# Altium PCB FMC_ADC_100M_10B_16CHA_TDC.PcbDoc (part 8 of 12) (continued)
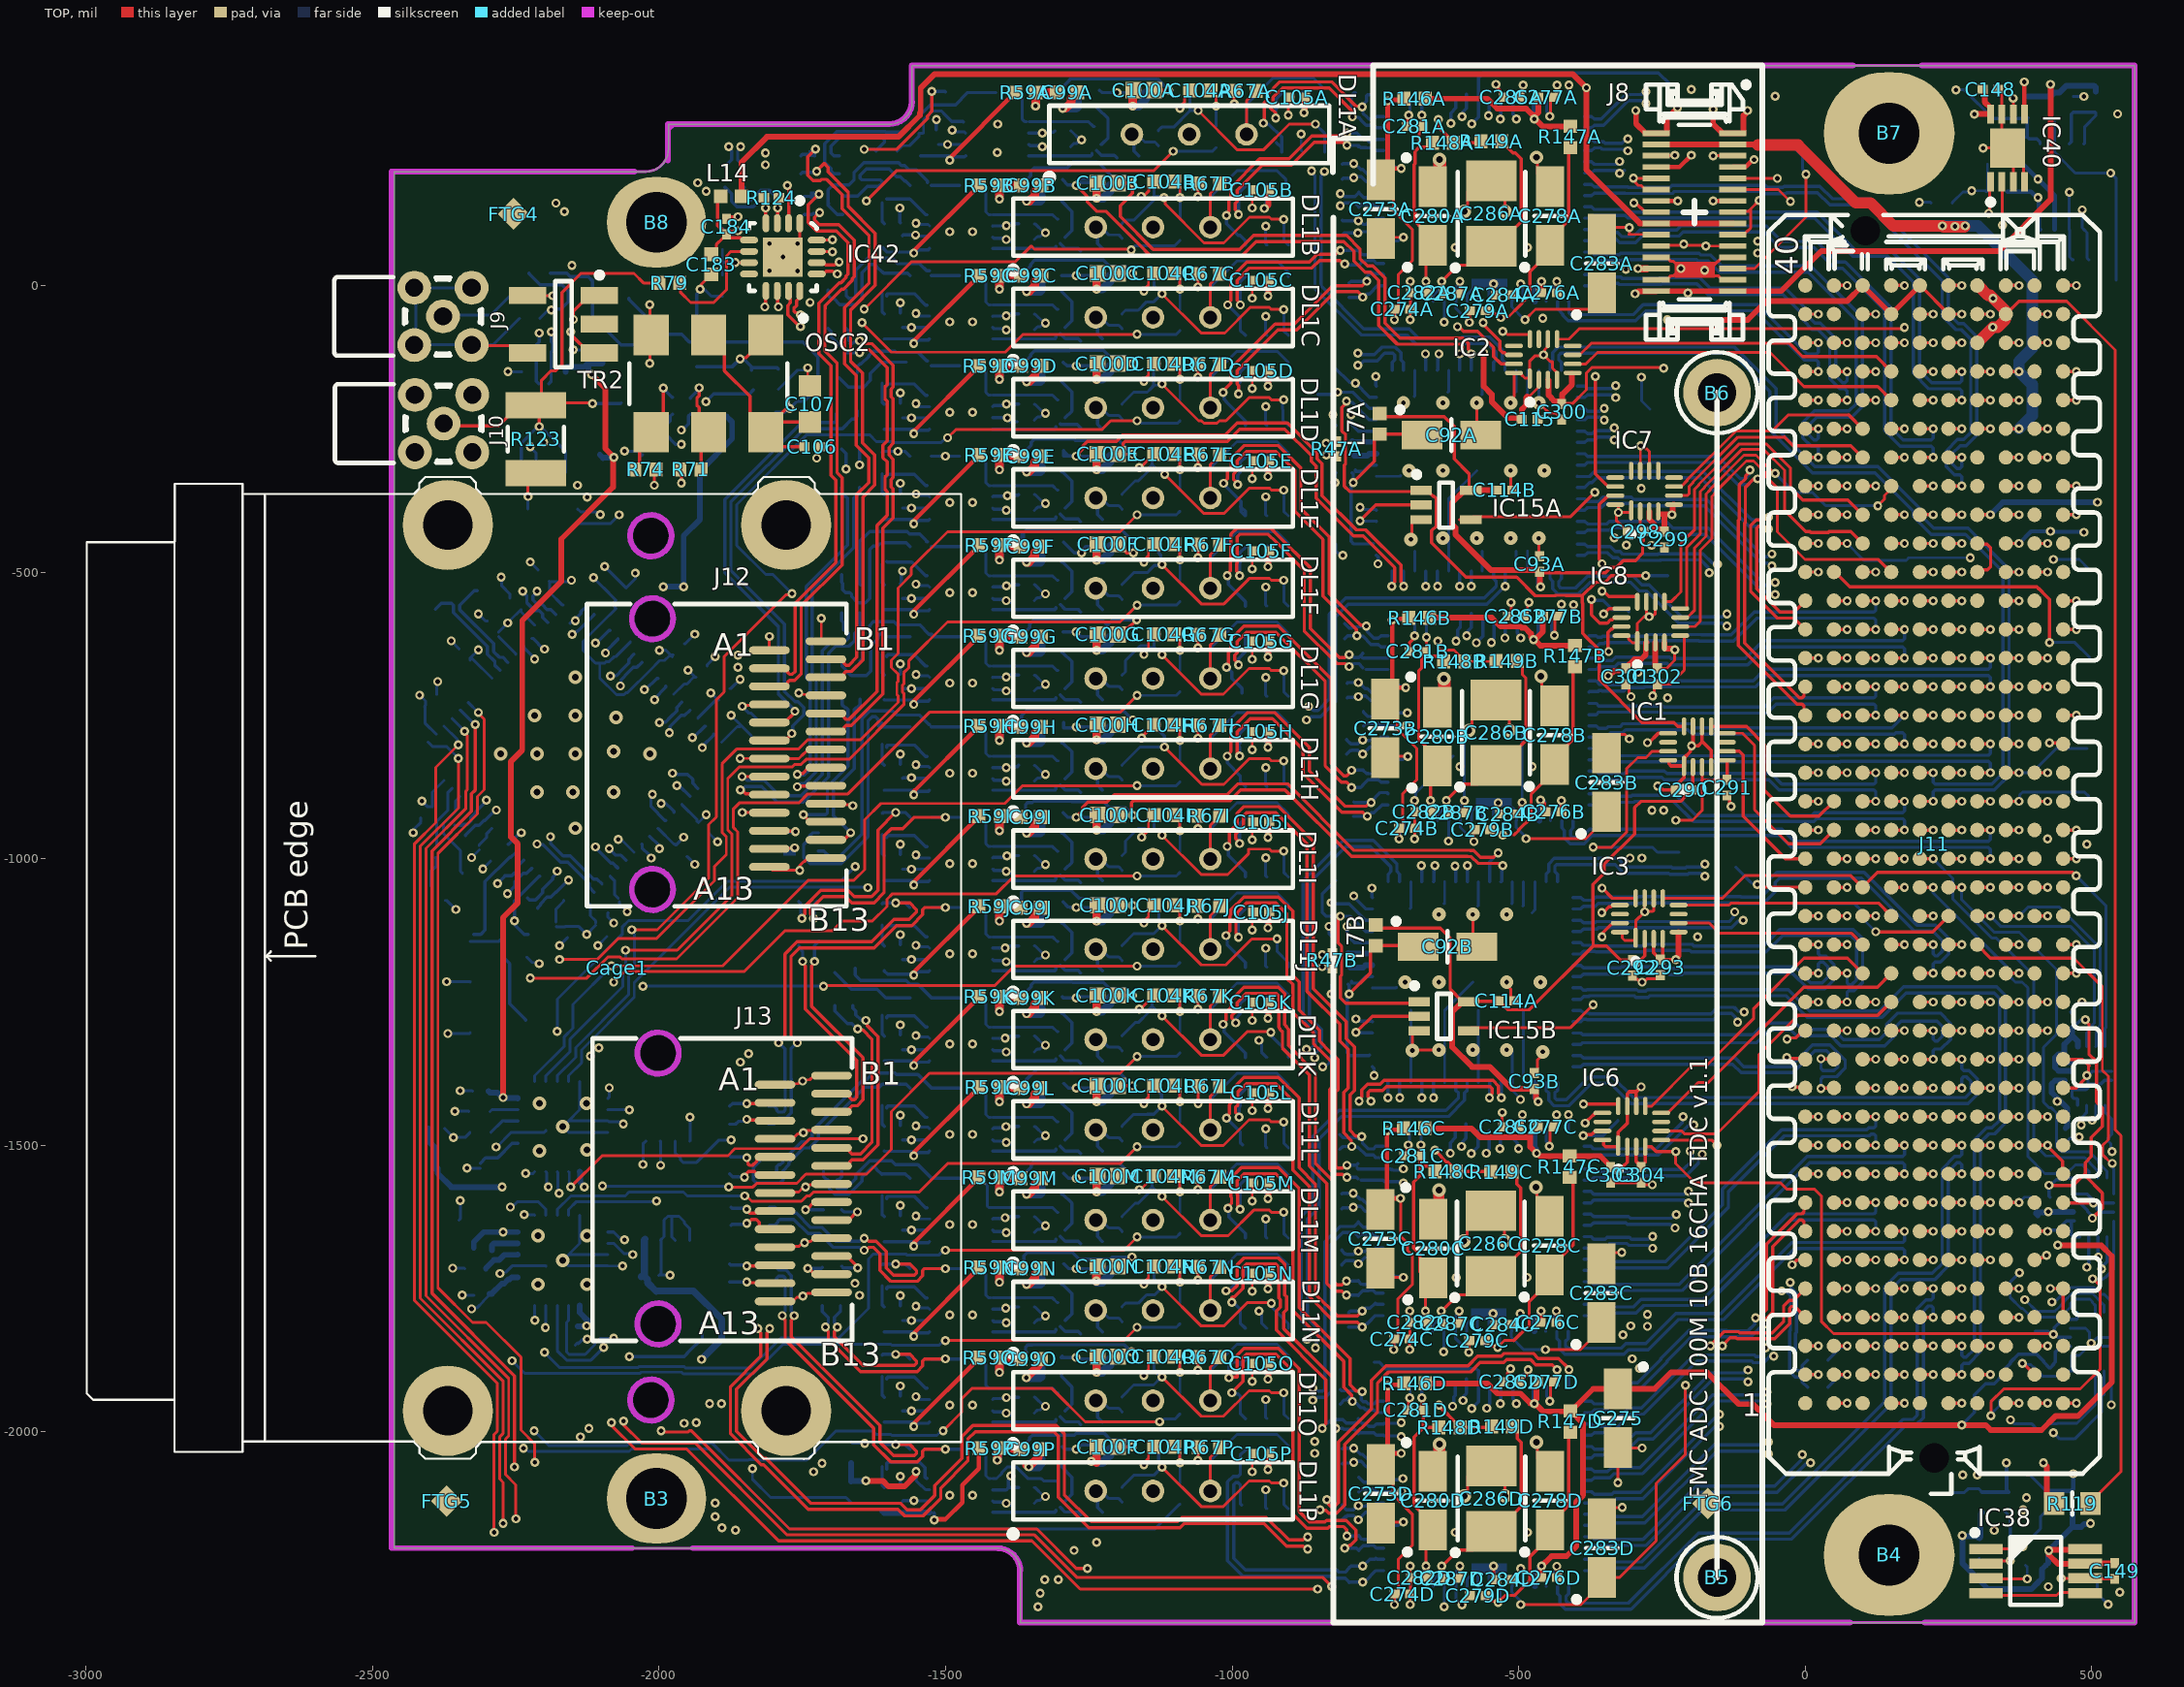
[diagram p0: TOP view]
## Nets (pads, with @x,y where several pads share a name; then routed paths per layer and width w, separated by ;. In a path a pad name is that pad's centre, name@x,y a point inside that pad or via, vN(x,y) a via of type N, cw(c..) or ccw(c..) an arc to the next point about the centre after c; other vN are vias at no path point) (continued)
  BOTTOM w5.71: IC14A.21@-398.03,-254.15 -384.57,-254.15 -380.09,-258.63 -371.75,-258.63 -366.73,-253.62 -340.87,-253.62 -335.86,-248.6 v1(-333.14,-248.6)
HB04_N: IC14A.32 J11.f26 | length 813.7
  TOP w5.71: J11.f26@200,-700 v1(223,-700)
  L2 w4: v1(-167.71,-501.21) -166.06,-502.86 -157.75,-502.86 -76.23,-584.38 -76.23,-584.54 13.11,-673.87 216.49,-673.87 236.87,-694.25 236.87,-712.28 228.66,-720.5 225.34,-720.5 223,-718.16 v1(223,-700)
  BOTTOM w5.71: IC14A.32@-398.03,-470.68 -384.57,-470.68 -380.09,-466.2 -344.87,-466.2 -336.06,-475 -327.4,-475 -322.95,-479.44 -286.82,-479.44 -286.55,-479.71 -252.89,-479.71 -251.92,-478.74 -183.08,-478.74 -169.63,-492.19 -169.63,-499.29 v1(-167.71,-501.21)
HB04_P: IC14A.31 J11.f25 | length 845
  TOP w5.71: J11.f25@200,-750 v1(223,-750)
  L2 w4: v1(-153.04,-486.53) -151.38,-488.19 -151.38,-496.5 -67.23,-580.66 -67.23,-580.81 16.84,-664.87 220.22,-664.87 245.87,-690.53 245.87,-716.01 232.38,-729.5 225.34,-729.5 223,-731.84 v1(223,-750)
  BOTTOM w5.71: IC14A.31@-398.03,-451 -384.57,-451 -380.09,-455.48 -340.43,-455.48 -331.62,-464.29 -322.96,-464.29 -318.52,-468.73 -282.39,-468.73 -282.12,-469 -257.33,-469 -256.36,-468.03 -178.64,-468.03 -162.06,-484.61 -154.96,-484.61 v1(-153.04,-486.53)
HB05_N: IC14A.28 J11.e25 | length 959.5
  TOP w5.71: J11.e25@250,-750 v1(273,-750)
  L2 w4: v1(-58.18,-489.24) -55.83,-489.24 -49.96,-483.36 -27.4,-483.36 63.11,-573.87 67.91,-573.87 92.47,-598.44 92.47,-603.23 117.16,-627.93 221.96,-627.93 241.7,-647.66 241.7,-652.46 264.48,-675.24 269.28,-675.24 287.87,-693.84 287.87,-761.28 278.66,-770.5 275.34,-770.5 273,-768.16 v1(273,-750)
  BOTTOM w5.71: IC14A.28@-398.03,-391.94 -384.57,-391.94 -380.09,-387.46 -356.06,-387.46 -348.73,-380.12 -308.22,-380.12 -304.07,-384.27 -176.19,-384.27 -76.24,-484.22 -65.91,-484.22 -60.89,-489.24 v1(-58.18,-489.24)
HB05_P: IC14A.27 J11.e24 | length 989.3
  TOP w5.71: J11.e24@250,-800 v1(273,-800)
  L2 w4: v1(-58.18,-468.49) -55.83,-468.49 -49.96,-474.36 -23.67,-474.36 66.84,-564.87 71.64,-564.87 101.47,-594.71 101.47,-599.51 120.89,-618.93 225.69,-618.93 250.7,-643.94 250.7,-648.73 268.21,-666.24 273,-666.24 296.87,-690.11 296.87,-765.01 282.38,-779.5 275.34,-779.5 273,-781.84 v1(273,-800)
  BOTTOM w5.71: IC14A.27@-398.03,-372.26 -384.57,-372.26 -380.09,-376.74 -360.5,-376.74 -353.16,-369.41 -303.78,-369.41 -299.63,-373.56 -171.76,-373.56 -71.81,-473.51 -65.91,-473.51 -60.89,-468.49 v1(-58.18,-468.49)
HB06_CC_N: IC14A.26 J11.k29 | length 617.7
  TOP w5.71: v1(-64,-425) -66.72,-425 -71.73,-419.98 -81.23,-419.98 -84.58,-423.33 -84.58,-529.08 -44.02,-569.64 -19.64,-569.64 J11.k29@0,-550
  BOTTOM w5.71: IC14A.26@-398.03,-352.57 -384.57,-352.57 -376.05,-344.05 -372.29,-344.05 -363.52,-335.27 -182.65,-335.27 -97.93,-419.98 -71.73,-419.98 -66.72,-425 v1(-64,-425)
HB06_CC_P: IC14A.25 J11.k28 | length 649.8
  TOP w5.71: v1(-64,-404.25) -66.72,-404.25 -71.73,-409.27 -85.67,-409.27 -95.29,-418.89 -95.29,-533.52 -48.45,-580.36 -19.64,-580.36 J11.k28@0,-600
  BOTTOM w5.71: IC14A.25@-398.03,-332.89 -397.59,-333.33 -376.73,-333.33 -367.95,-324.56 -178.21,-324.56 -93.5,-409.27 -71.73,-409.27 -66.72,-404.25 v1(-64,-404.25)
HB07_N: IC14A.30 J11.j28 | length 642
  TOP w5.71: J11.j28@50,-600 v1(73,-600)
  L2 w4: v1(-52.35,-539.07) -54.69,-539.07 -60.56,-533.19 -67.51,-533.19 -69.85,-535.54 -69.85,-541.18 9.47,-620.5 70.66,-620.5 73,-618.16 v1(73,-600)
  BOTTOM w5.71: IC14A.30@-398.03,-431.31 -384.57,-431.31 -380.09,-426.83 -341.69,-426.83 -337.31,-422.45 -247.52,-422.45 -235.7,-434.27 -173.97,-434.27 -74.19,-534.05 -60.08,-534.05 -55.06,-539.07 v1(-52.35,-539.07)
HB07_P: IC14A.29 J11.j27 | length 671.9
  TOP w5.71: J11.j27@50,-650 v1(73,-650)
  L2 w4: v1(-52.35,-518.32) -54.69,-518.32 -60.56,-524.19 -71.23,-524.19 -78.85,-531.81 -78.85,-544.91 5.74,-629.5 70.66,-629.5 73,-631.84 v1(73,-650)
  BOTTOM w5.71: IC14A.29@-398.03,-411.63 -384.57,-411.63 -380.09,-416.11 -346.12,-416.11 -341.75,-411.74 -243.08,-411.74 -231.26,-423.56 -169.54,-423.56 -69.76,-523.34 -60.08,-523.34 -55.06,-518.32 v1(-52.35,-518.32)
HB08_N: IC14A.20 J11.f29 | length 857.2
  TOP w5.71: J11.f29@200,-550 v1(223,-550)
  L2 w4: v1(-350.79,-234.99) -348.44,-234.99 -342.57,-229.12 -273.03,-229.12 -140.87,-361.28 -85.94,-361.28 -34.5,-412.72 -34.5,-426.26 24.36,-485.13 74.36,-485.13 113.11,-523.87 216.49,-523.87 236.87,-544.25 236.87,-562.28 228.66,-570.5 225.34,-570.5 223,-568.16 v1(223,-550)
  BOTTOM w5.71: IC14A.20@-398.03,-234.46 -384.57,-234.46 -380.09,-229.98 -358.52,-229.98 -353.5,-234.99 v1(-350.79,-234.99)
HB08_P: IC14A.19 J11.f28 | length 887
  TOP w5.71: J11.f28@200,-600 v1(223,-600)
  L2 w4: v1(-350.79,-214.25) -348.44,-214.25 -342.57,-220.12 -269.3,-220.12 -137.14,-352.28 -82.21,-352.28 -25.5,-408.99 -25.5,-422.53 28.09,-476.13 78.09,-476.13 116.84,-514.87 220.22,-514.87 245.87,-540.53 245.87,-566.01 232.38,-579.5 225.34,-579.5 223,-581.84 v1(223,-600)
  BOTTOM w5.71: IC14A.19@-398.03,-214.78 -384.57,-214.78 -380.09,-219.26 -358.52,-219.26 -353.5,-214.25 v1(-350.79,-214.25)
HB09_N: IC14A.18 J11.e28 | length 973.8
  TOP w5.71: J11.e28@250,-600 v1(273,-600)
  L2 w4: v1(-330.8,-195.62) -328.45,-195.62 -322.58,-189.75 -229.56,-189.75 -112.5,-306.8 -52.39,-306.8 -22.41,-336.78 -22.41,-338.35 13.11,-373.87 17.91,-373.87 42.29,-398.25 42.29,-403.05 73.43,-434.2 78.23,-434.2 117.91,-473.87 217.91,-473.87 237.87,-493.84 237.87,-498.64 263.66,-524.42 268.45,-524.42 287.87,-543.84 287.87,-611.28 278.66,-620.5 275.34,-620.5 273,-618.16 v1(273,-600)
  BOTTOM w5.71: IC14A.18@-398.03,-195.09 -384.57,-195.09 -380.09,-190.61 -338.53,-190.61 -333.51,-195.62 v1(-330.8,-195.62)
HB09_P: IC14A.17 J11.e27 | length 1003.6
  TOP w5.71: J11.e27@250,-650 v1(273,-650)
  L2 w4: v1(-330.8,-174.88) -328.45,-174.88 -322.58,-180.75 -225.83,-180.75 -108.78,-297.8 -48.66,-297.8 -13.41,-333.05 -13.41,-334.63 16.84,-364.87 21.64,-364.87 51.29,-394.53 51.29,-399.32 76.76,-424.8 81.56,-424.8 121.64,-464.87 221.64,-464.87 246.87,-490.11 246.87,-494.91 267.39,-515.42 272.18,-515.42 296.87,-540.11 296.87,-615.01 282.38,-629.5 275.34,-629.5 273,-631.84 v1(273,-650)
  BOTTOM w5.71: IC14A.17@-398.03,-175.41 -384.57,-175.41 -380.09,-179.89 -338.53,-179.89 -333.51,-174.88 v1(-330.8,-174.88)
HB11_N: J11.j31 TP40.1 | length 467.5
  TOP w5.71: J11.j31@50,-450 v1(73,-450)
  L2 w5: v1(288,-475) 426.86,-475 429.86,-478.01 v1(432.77,-478.01)
  BOTTOM w5: v1(73,-450) 102.44,-479.44 176.13,-479.44 180.57,-475 v1(288,-475) ; v1(432.77,-478.01) 478.01,-478.01 TP40.1@495.12,-495.11
HB11_P: J11.j30 TP39.1 | length 551.9
  TOP w5.71: J11.j30@50,-500 52.13,-500 77.77,-525.64 404.07,-525.64 407.97,-529.55 408.47,-529.55 420.45,-541.53 420.45,-542.03 426,-547.58 v1(426,-622.89)
  BOTTOM w5: v1(426,-622.89) 470.26,-622.89 TP39.1@495.93,-648.56
HB12_N: IC41.7 J11.f32 R122.1 | length 2923.1
  TOP w5.71: J11.f32@200,-400 v1(223,-400)
  L2 w4: v1(-2188.15,-80.77) -2188.15,-78.45 -2194.08,-72.53 -2194.08,-69.22 -2191.73,-66.87 -2178.11,-66.87 -2164.13,-52.89 -2164.13,-39.78 -2134.25,-9.9 -1986.24,-9.9 -1961.47,-34.67 -1876.6,-34.67 -1845.68,-3.75 -1542.42,-3.75 -1502.74,35.92 -879.48,35.92 -799.16,-44.4 -762.16,-44.4 -750.78,-33.02 -312.22,-33.02 -306.98,-38.26 -287.2,-38.26 -281.97,-33.02 -242.4,-33.02 -107.57,-167.85 -107.57,-203.19 13.11,-323.87 17.91,-323.87 37.87,-343.84 37.87,-348.64 74.36,-385.13 93.58,-385.13 116.6,-408.14 143.82,-408.14 166.84,-385.13 227.75,-385.13 236.87,-394.25 236.87,-412.28 228.66,-420.5 225.34,-420.5 223,-418.16 v1(223,-400)
  BOTTOM w5.71: IC41.7@-2192.48,-171.21 -2192.42,-171.21 -2188.39,-167.18 IC41.7@-2188.39,-150.45 -2188.39,-116.05 -2185.93,-113.59 -2185.93,-101.21 R122.1@-2185.54,-100.82 -2188.15,-98.2 v1(-2188.15,-80.77)
HB12_P: IC41.6 J11.f31 R122.2 | length 2967.6
  TOP w5.71: J11.f31@200,-450 v1(223,-450)
  L2 w4: v1(-2209,-83) -2209,-80.71 -2203.08,-74.78 -2203.08,-65.49 -2195.46,-57.87 -2181.84,-57.87 -2173.13,-49.16 -2173.13,-36.05 -2137.98,-0.9 -1982.51,-0.9 -1957.75,-25.67 -1880.33,-25.67 -1849.41,5.25 -1546.14,5.25 -1506.47,44.92 -875.75,44.92 -795.43,-35.4 -765.88,-35.4 -754.51,-24.02 -308.49,-24.02 -303.25,-29.26 -290.93,-29.26 -285.7,-24.02 -238.67,-24.02 -98.57,-164.13 -98.57,-199.47 16.84,-314.87 21.64,-314.87 46.87,-340.11 46.87,-344.91 78.09,-376.13 97.31,-376.13 120.33,-399.14 140.09,-399.14 163.11,-376.13 231.47,-376.13 245.87,-390.53 245.87,-416.01 232.38,-429.5 225.34,-429.5 223,-431.84 v1(223,-450)
  BOTTOM w5.71: IC41.6@-2209.89,-171.21 -2209.94,-171.21 -2213.98,-167.18 IC41.6@-2213.98,-150.45 -2213.98,-103.27 R122.2@-2211.52,-100.82 -2209,-98.29 v1(-2209,-83)
HB13_N: IC50A.3 J11.e31 | length 1400.6
  TOP w5.71: J11.e31@250,-450 v1(273,-450)
  L2 w4: v1(-309.45,255.71) -307.11,255.71 -301.23,249.84 -238.93,249.84 -237.68,251.1 -79.23,251.1 -2.13,174 -2.13,-145.91 17.88,-165.92 272.68,-165.92 296.87,-190.11 296.87,-409.89 277.6,-429.16 274.22,-429.16 259.13,-444.25 259.13,-462.28 267.34,-470.5 270.66,-470.5 273,-468.16 v1(273,-450)
  BOTTOM w5.71: IC50A.3@-385.31,255.18 -372.83,255.18 -368.34,250.7 -352.06,250.7 -349.62,248.26 -319.62,248.26 -317.18,250.7
HB13_P: IC50A.4 J11.e30 | length 1408.4
  TOP w5.71: J11.e30@250,-500 v1(273,-500)
  L2 w4: v1(-309.45,234.97) -307.11,234.97 -301.23,240.84 -235.21,240.84 -233.95,242.1 -82.96,242.1 -11.13,170.27 -11.13,-149.64 14.16,-174.92 268.95,-174.92 287.87,-193.84 287.87,-406.16 273.87,-420.16 270.49,-420.16 250.13,-440.53 250.13,-466.01 263.62,-479.5 270.66,-479.5 273,-481.84 v1(273,-500)
  BOTTOM w5.71: IC50A.4@-385.31,235.5 -372.83,235.5 -368.34,239.98 -356.5,239.98 -354.06,237.55 -317.81,237.55 -317.15,236.89 -311.37,236.89 v1(-309.45,234.97)
HB16_N: IC50A.11 J11.f35 | length 939.3
  TOP w5.71: J11.f35@200,-250 v1(223,-250)
  BOTTOM w5.71: IC50A.11@-385.31,97.7 -372.83,97.7 -368.34,93.22 -355.13,93.22 -354.61,92.7 -327.15,92.7 -319.72,85.27 -300.48,85.27 -288.84,96.92 -224.48,96.92 -217.54,103.85 -67.81,103.85 -40.75,76.8 19.83,76.8 56.01,40.63 69.77,40.63 149.44,-39.05 149.44,-248.69 170.4,-269.64 219.65,-269.64 223,-266.3 v1(223,-250)
HB16_P: IC50A.12 J11.f34 | length 939.3
  TOP w5.71: J11.f34@200,-300 v1(223,-300)
  BOTTOM w5.71: IC50A.12@-385.31,78.02 -372.83,78.02 -368.34,82.5 -359.56,82.5 -359.05,81.99 -331.59,81.99 -324.15,74.56 -296.05,74.56 -284.4,86.2 -220.04,86.2 -213.11,93.14 -72.24,93.14 -45.19,66.09 15.4,66.09 51.57,29.91 65.33,29.91 138.73,-43.48 138.73,-253.13 165.96,-280.36 219.65,-280.36 223,-283.7 v1(223,-300)
HB17_CC_N: IC50A.17 J11.k38 | length 539.9
  TOP w5.71: J11.k38@0,-100 v1(23,-100)
  BOTTOM w5.71: IC50A.17@-412.86,-28.28 -412.31,-28.84 -412.31,-47.59 -408.96,-50.94 -300.48,-50.94 -282.99,-33.45 -82.83,-33.45 3.36,-119.64 19.65,-119.64 23,-116.3 v1(23,-100)
HB17_CC_P: IC50A.18 J11.k37 | length 561.3
  TOP w5.71: J11.k37@0,-150 v1(23,-150)
  BOTTOM w5.71: IC50A.18@-432.55,-28.28 -432.55,-40.52 -423.02,-50.05 -423.02,-52.03 -413.4,-61.65 -296.04,-61.65 -278.55,-44.16 -87.26,-44.16 -1.07,-130.36 19.65,-130.36 23,-133.7 v1(23,-150)
HB18_N: IC50A.15 J11.j37 | length 621.9
  TOP w5.71: J11.j37@50,-150 v1(73,-150)
  BOTTOM w5.71: IC50A.15@-385.31,18.96 -372.83,18.96 -368.34,14.48 -321.72,14.48 -319.52,12.27 -256.17,12.27 -254.99,13.44 -184.61,13.44 -182.1,10.94 -181.56,10.94 -165.6,-5.02 -34.58,-5.02 7.27,-46.87 7.27,-56.52 16.48,-65.73 26.13,-65.73 53.39,-93 53.39,-158.11 64.92,-169.64 69.65,-169.64 73,-166.3 v1(73,-150)
HB18_P: IC50A.16 J11.j36 | length 621.9
  TOP w5.71: J11.j36@50,-200 v1(73,-200)
  BOTTOM w5.71: IC50A.16@-385.31,-0.72 -372.83,-0.72 -368.34,3.76 -326.16,3.76 -323.95,1.56 -251.73,1.56 -250.56,2.73 -189.04,2.73 -186.54,0.23 -186,0.23 -170.04,-15.73 -39.02,-15.73 -3.44,-51.31 -3.44,-60.95 12.05,-76.44 21.69,-76.44 42.68,-97.43 42.68,-162.55 60.48,-180.36 69.65,-180.36 73,-183.7 v1(73,-200)
HB19_N: IC50A.7 J11.e34 | length 1142.3
  TOP w5.71: J11.e34@250,-300 v1(273,-300)
  BOTTOM w5.71: IC50A.7@-385.31,176.44 -372.83,176.44 -368.34,171.96 -309.9,171.96 -309.17,171.22 -236.37,171.22 -232.86,174.72 -69.4,174.72 -65.8,171.12 -38.65,171.12 -36.95,172.81 25.67,172.81 47.12,151.37 111.58,151.37 249.44,13.51 249.44,-48.69 267.13,-66.38 276.78,-66.38 299.44,-89.05 299.44,-260.95 280.84,-279.56 270.19,-279.56 256.56,-293.19 256.56,-311.28 264.92,-319.64 269.65,-319.64 273,-316.3 v1(273,-300)
HB19_P: IC50A.8 J11.e33 | length 1142.3
  TOP w5.71: J11.e33@250,-350 v1(273,-350)
  BOTTOM w5.71: IC50A.8@-385.31,156.76 -372.83,156.76 -368.34,161.24 -314.34,161.24 -313.61,160.51 -231.93,160.51 -228.43,164.01 -73.84,164.01 -70.23,160.4 -34.21,160.4 -32.52,162.1 21.24,162.1 42.68,140.66 107.14,140.66 238.73,9.07 238.73,-53.13 262.7,-77.09 272.34,-77.09 288.73,-93.48 288.73,-256.52 276.4,-268.85 265.75,-268.85 245.84,-288.75 245.84,-315.72 260.48,-330.36 269.65,-330.36 273,-333.7 v1(273,-350)
IDX0.SIG_N: IC42.10 IC50A.43 R144A.2 | length 1521.1
  TOP w5.71: IC42.10@-1793.8,-9.53 -1792.71,-10.62 -1792.71,-36.47 v1(-1791.73,-37.46)
  L3 w4: v1(-1814.42,231.33) -1812.08,231.33 -1806.2,225.45 -1796.95,225.45 -1789.33,217.84 -1789.33,182.34 -1828.79,142.88 -1828.79,26.23 -1799.04,-3.53 -1799.04,-29.24 -1791.73,-36.55 v1(-1791.73,-37.46)
  L2 w4: v1(-1814.42,231.33) -1812.08,231.33 -1806.2,225.45 -1742.97,225.45 -1740.39,222.87 -1715.11,222.87 -1695.81,203.57 -1417.47,203.57 -1388.47,232.57 -1342.64,232.57 -1337.27,227.2 -1324.94,227.2 -1319.57,232.57 -1129.03,232.57 -1121.91,225.45 -1115.04,225.45 -1108.92,219.33 -1096.6,219.33 -1090.47,225.45 -908.67,225.45 -867.1,183.89 -832.81,183.89 -811.72,204.98 -796.01,204.98 -788.17,212.82 v1(-787.79,212.82)
  BOTTOM w5.71: R144A.2@-807.48,211.76 -806.42,212.82 -786.42,212.82 -775.75,202.15 -772.01,202.15 -761.5,191.64 -752.66,191.64 -748.18,196.13 IC50A.43@-735.7,196.13
IDX0.SIG_P: IC42.9 IC50A.42 R144A.1 | length 1502.2
  TOP w5.71: v1(-1815.35,-37.46) -1814.37,-36.47 -1814.37,-10.4 IC42.9@-1813.49,-9.53
  L3 w4: v1(-1815.35,-37.46) -1815.35,-36.55 -1808.04,-29.24 -1808.04,-7.26 -1837.79,22.5 -1837.79,146.61 -1798.33,186.07 -1798.33,214.11 -1800.67,216.45 -1806.2,216.45 -1812.08,210.58 v1(-1814.42,210.58)
  L2 w4: v1(-1814.42,210.58) -1812.08,210.58 -1806.2,216.45 -1750.1,216.45 -1747.52,213.87 -1718.84,213.87 -1699.54,194.57 -1413.74,194.57 -1384.74,223.57 -1346.36,223.57 -1340.99,218.2 -1321.22,218.2 -1315.85,223.57 -1132.76,223.57 -1125.64,216.45 -1118.77,216.45 -1112.65,210.33 -1092.87,210.33 -1086.74,216.45 -912.39,216.45 -870.83,174.89 -829.09,174.89 -808,195.98 -796.01,195.98 -788.17,188.14 v1(-787.79,188.14)
  BOTTOM w5.71: R144A.1@-807.48,185.77 -806.18,187.07 -788.85,187.07 v1(-787.79,188.14) -786.24,189.68 -774.69,189.68 -765.94,180.93 -752.66,180.93 -748.18,176.44 IC50A.42@-735.7,176.44
IDX1.SIG_N: IC42.12 IC50B.43 R144B.2 | length 1946.2
  TOP w5.71: IC42.12@-1754.43,-9.53 -1754.43,-21.02 -1760.15,-26.74 -1760.15,-34.93 -1764.7,-39.48 -1764.7,-44.22 -1761.35,-47.56 -1759.32,-47.56 -1755.78,-51.1 v1(-1753.07,-51.1)
  L3 w4: v1(-1862.6,-645.18) -1860.25,-645.18 -1854.38,-651.05 -1847.43,-651.05 -1845.09,-648.71 -1845.09,-481.45 -1845.26,-481.29 -1845.26,-308.12 -1843.79,-306.65 -1843.79,-130.23 -1770.54,-56.98 -1761.28,-56.98 -1755.41,-51.1 v1(-1753.07,-51.1)
  L2 w4: v1(-1862.6,-645.18) -1860.25,-645.18 -1854.38,-651.05 -1656.54,-651.05 -1561.79,-745.8 -1195.25,-745.8 -1183.51,-734.06 -1163.72,-734.06 -1152.53,-722.87 -1037.45,-722.87 -1015.11,-700.53 -788.14,-700.53 -780.29,-692.69 v1(-779.92,-692.69)
  BOTTOM w5.71: R144B.2@-799.6,-693.75 -798.54,-692.69 -778.54,-692.69 -767.87,-703.36 -764.14,-703.36 -753.63,-713.87 -744.79,-713.87 -740.3,-709.38 IC50B.43@-727.83,-709.38
IDX1.SIG_P: IC42.11 IC50B.42 R144B.1 | length 1964.5
  TOP w5.71: IC42.11@-1774.12,-9.53 -1774.12,-21.02 -1770.87,-24.27 -1770.87,-30.5 -1775.41,-35.04 -1775.41,-51 -1754.56,-71.85 v1(-1753.07,-71.85)
  L3 w4: v1(-1862.6,-665.93) -1860.25,-665.93 -1854.38,-660.05 -1843.71,-660.05 -1836.09,-652.44 -1836.09,-477.72 -1836.26,-477.56 -1836.26,-311.84 -1834.79,-310.38 -1834.79,-133.95 -1766.81,-65.98 -1761.28,-65.98 -1755.41,-71.85 v1(-1753.07,-71.85)
  L2 w4: v1(-1862.6,-665.93) -1860.25,-665.93 -1854.38,-660.05 -1660.26,-660.05 -1565.52,-754.8 -1191.52,-754.8 -1179.78,-743.06 -1159.99,-743.06 -1148.81,-731.87 -1033.72,-731.87 -1011.38,-709.53 -788.13,-709.53 -780.29,-717.38 v1(-779.92,-717.38)
  BOTTOM w5.71: R144B.1@-799.6,-719.74 -798.31,-718.44 -780.98,-718.44 -778.37,-715.83 -766.82,-715.83 -758.07,-724.58 -744.79,-724.58 -740.3,-729.07 IC50B.42@-727.83,-729.07
IDX2.SIG_N: IC42.14 IC50C.43 R144C.2 | length 2960
  TOP w5.71: IC42.14@-1724.91,39.69 -1713.41,39.69 -1709.58,35.85 -1693.61,35.85 v1@-1692.47,36.99
  L3 w4: v1(-1685.87,40.87) -1683.53,40.87 -1677.66,35 -1671.57,35 -1663.32,26.74 -1663.32,-88.81 -1688.5,-113.99 -1688.5,-359.93 -1662.57,-385.85 -1662.57,-613.83 -1688.5,-639.76 -1688.5,-883.27 -1686.89,-884.89 -1686.89,-1731.69 -1671.66,-1746.92 -1666.41,-1746.92 -1660.25,-1740.76 v1(-1658.19,-1740.76)
  L2 w4: v1(-1658.19,-1740.76) -1655.92,-1740.76 -1649.98,-1746.71 -1597.31,-1746.71 -1589.14,-1738.54 -1458.12,-1738.54 -1428.03,-1708.44 -1348.72,-1708.44 -1304.76,-1752.41 -1197.92,-1752.41 -1163.82,-1718.31 -1162.42,-1718.31 -1155.1,-1710.98 -1011.54,-1710.98 -999.73,-1722.79 -936.52,-1722.79 -807.07,-1593.34 -798.79,-1593.34 -789.08,-1583.64 v1(-788.71,-1583.64)
  BOTTOM w5.71: R144C.2@-808.4,-1584.7 -807.33,-1583.64 v1(-788.71,-1583.64) -787.33,-1583.64 -776.66,-1594.3 -772.93,-1594.3 -762.42,-1604.81 -753.58,-1604.81 -749.09,-1600.33 IC50C.43@-736.62,-1600.33
IDX2.SIG_P: IC42.13 IC50C.42 R144C.1 | length 2963.2
  TOP w5.71: IC42.13@-1724.91,20 -1713.41,20 -1708.28,25.14 -1696.92,25.14 -1691.9,20.12 v1(-1689.19,20.12)
  L3 w4: v1(-1689.19,20.12) -1686.84,20.12 -1680.97,26 -1675.3,26 -1672.32,23.01 -1672.32,-85.08 -1697.5,-110.26 -1697.5,-363.66 -1671.57,-389.58 -1671.57,-610.1 -1697.5,-636.03 -1697.5,-887 -1695.89,-888.61 -1695.89,-1735.42 -1675.38,-1755.92 -1658.21,-1755.92 -1652.27,-1761.86 v1(-1650,-1761.86)
  L2 w4: v1(-1650,-1761.86) -1647.94,-1761.86 -1641.78,-1755.71 -1593.58,-1755.71 -1585.42,-1747.54 -1454.4,-1747.54 -1424.3,-1717.44 -1352.45,-1717.44 -1308.49,-1761.41 -1194.2,-1761.41 -1160.1,-1727.31 -1158.69,-1727.31 -1151.37,-1719.98 -1015.27,-1719.98 -1003.46,-1731.79 -932.79,-1731.79 -803.34,-1602.34 -795.06,-1602.34 -789.08,-1608.32 v1(-788.71,-1608.32)
  BOTTOM w5.71: R144C.1@-808.4,-1610.68 -807.1,-1609.38 -789.77,-1609.38 v1(-788.71,-1608.32) -787.16,-1606.77 -775.61,-1606.77 -766.86,-1615.53 -753.58,-1615.53 -749.09,-1620.01 IC50C.42@-736.62,-1620.01
IDX3.SIG_N: IC42.16 IC50D.43 R144D.2 | length 3474.9
  TOP w5.71: IC42.16@-1724.91,79.06 -1724.64,79.32 -1697.51,79.32 v1(-1697.25,79.59)
  L3 w4: v1(-1715.51,-2054.84) -1713.85,-2056.49 -1713.85,-2064.8 -1709.94,-2068.71 -1701.81,-2068.71 -1675.38,-2042.28 -1675.38,-1900.33 -1733.58,-1842.13 -1733.58,-1728.69 -1725.67,-1720.78 -1725.67,-1390.65 -1736.87,-1379.45 -1736.87,-1243.3 -1801.8,-1178.37 -1801.8,-684.95 -1740.8,-623.96 -1740.8,-570.87 -1719.89,-549.96 -1719.89,-393.32 -1748.67,-364.54 -1748.67,-198.91 -1721.74,-171.97 -1721.74,-23.42 -1723.75,-21.41 -1723.75,66.1 -1716.13,73.71 -1705.46,73.71 -1699.59,79.59 v1(-1697.25,79.59)
  L2 w4: v1(-1715.51,-2054.84) -1713.85,-2056.49 -1713.85,-2064.8 -1709.94,-2068.71 -1687.45,-2068.71 -1681.88,-2063.14 -1650.39,-2063.14 -1632.33,-2045.08 -1541.68,-2045.08 -1505.35,-2081.41 -1448.93,-2081.41 -1438.65,-2091.7 -1338.49,-2091.7 -1314.16,-2067.37 -1219.4,-2067.37 -1157.03,-2129.74 -927.17,-2129.74 -860.32,-2062.88 -840.61,-2062.88 -815.95,-2038.22 -797.88,-2038.22 -788.17,-2028.52 v1(-787.8,-2028.52)
  BOTTOM w5.71: R144D.2@-807.48,-2029.58 -806.42,-2028.52 v1(-787.8,-2028.52) -786.42,-2028.52 -775.75,-2039.19 -772.02,-2039.19 -761.51,-2049.7 -752.67,-2049.7 -748.18,-2045.21 IC50D.43@-735.7,-2045.21
IDX3.SIG_P: IC42.15 IC50D.42 R144D.1 | length 3484.3
  TOP w5.71: IC42.15@-1724.91,59.37 -1724.64,59.11 -1697.51,59.11 v1(-1697.25,58.84)
  L3 w4: v1(-1730.18,-2069.51) -1728.52,-2071.16 -1720.21,-2071.16 -1713.67,-2077.71 -1698.08,-2077.71 -1666.38,-2046.01 -1666.38,-1896.6 -1724.58,-1838.4 -1724.58,-1732.42 -1716.67,-1724.51 -1716.67,-1386.92 -1727.87,-1375.72 -1727.87,-1239.57 -1792.8,-1174.65 -1792.8,-688.68 -1731.8,-627.68 -1731.8,-574.6 -1710.89,-553.69 -1710.89,-389.6 -1739.67,-360.82 -1739.67,-202.63 -1712.74,-175.7 -1712.74,-19.7 -1714.75,-17.68 -1714.75,62.37 -1712.41,64.71 -1705.46,64.71 -1699.59,58.84 v1(-1697.25,58.84)
  L2 w4: v1(-1730.18,-2069.51) -1728.52,-2071.16 -1720.21,-2071.16 -1713.67,-2077.71 -1683.72,-2077.71 -1678.15,-2072.14 -1646.67,-2072.14 -1628.6,-2054.08 -1545.41,-2054.08 -1509.07,-2090.41 -1452.66,-2090.41 -1442.38,-2100.7 -1334.76,-2100.7 -1310.43,-2076.37 -1223.13,-2076.37 -1160.76,-2138.74 -923.45,-2138.74 -856.59,-2071.88 -836.88,-2071.88 -812.22,-2047.22 -794.15,-2047.22 -788.17,-2053.2 v1(-787.79,-2053.2)
  BOTTOM w5.71: R144D.1@-807.48,-2055.56 -806.18,-2054.27 -788.86,-2054.27 v1(-787.79,-2053.2) -786.25,-2051.66 -774.7,-2051.66 -765.94,-2060.41 -752.67,-2060.41 -748.18,-2064.9 IC50D.42@-735.7,-2064.9
IDX_N: IC42.4 J11.h38 R3.2 R124.2 | length 2577.9
  TOP w5.71: R124.2@-1816.99,153 -1816.2,153 -1814,150.8 -1814,120.59 -1813.49,120.08 IC42.4@-1813.49,108.58 ; J11.h38@100,-100 v1(123,-100)
  L2 w4: v1(-1813.92,135.22) -1813.92,132.88 -1808.05,127 -1808.05,116.33 -1795.19,103.48 -1708.54,103.48 -1700.66,111.35 -1570.11,111.35 -1557.86,123.6 -1410.8,123.6 -1410.36,123.16 -1254.29,123.16 -1249.1,128.36 -1052.36,128.36 -1026.15,154.57 -927.96,154.57 -888.68,115.29 -798.39,115.29 -733.67,180.01 -539.06,180.01 -448.48,270.59 -54.23,270.59 63.41,152.95 63.41,53.57 137.87,-20.9 137.87,-111.28 128.66,-120.5 125.34,-120.5 123,-118.16 v1(123,-100)
  BOTTOM w5.71: R3.2@-1885.38,171.4 -1884.6,171.4 -1873.47,160.27 -1873.47,146.97 -1863.85,137.35 -1835.67,137.35 -1817.22,155.79 -1812.25,155.79 -1808.9,152.45 -1808.9,142.95 -1813.92,137.93 v1(-1813.92,135.22)
IDX_P: IC42.3 J11.h37 R2.2 R124.1 | length 2593.4
  TOP w5.71: IC42.3@-1793.8,108.58 -1793.8,120.08 -1793,120.88 -1793,151.8 -1791.8,153 R124.1@-1791.01,153 ; J11.h37@100,-150 v1(123,-150)
  L2 w4: v1(-1793.17,135.22) -1793.17,132.88 -1799.05,127 -1799.05,120.06 -1791.46,112.48 -1712.26,112.48 -1704.39,120.35 -1573.84,120.35 -1561.59,132.6 -1407.07,132.6 -1406.63,132.16 -1258.02,132.16 -1252.83,137.36 -1056.09,137.36 -1028.83,164.62 -925.28,164.62 -884.95,124.29 -802.12,124.29 -737.4,189.01 -542.79,189.01 -452.21,279.59 -50.5,279.59 72.41,156.68 72.41,57.3 146.87,-17.17 146.87,-115.01 132.38,-129.5 125.34,-129.5 123,-131.84 v1(123,-150)
  BOTTOM w5.71: R2.2@-1850.84,171.4 -1851.63,171.4 -1862.75,160.27 -1862.75,151.41 -1859.41,148.06 -1840.1,148.06 -1821.66,166.51 -1807.81,166.51 -1798.19,156.88 -1798.19,142.95 -1793.17,137.93 v1(-1793.17,135.22)
IDX_SRC_SEL_1V8: IC7.14 IC42.2 | length 1940
  TOP w5.71: v1(-1775.98,174.65) -1775.98,171.94 -1773.64,169.59 -1773.64,109.06 IC42.2@-1774.12,108.58 ; v1(-366.15,-158.67) -366.52,-159.05 -366.52,-328.45 -348.05,-346.91 -347.71,-346.91 -343.75,-350.87 IC7.14@-331.36,-350.87
  L3 w5.71: v1(-1775.98,174.65) -1740.8,139.47 -1740.8,-2.57 -1736.61,-6.77 v1(-1736.61,-29.59)
  L2 w5.71: v1(-1736.61,-29.59) -1686.71,-29.59 -1682.79,-25.67 -1635.61,-25.67 -1615.41,-45.86 -1571.05,-45.86 -1558.21,-33.02 -1299.78,-33.02 -1230.29,-102.51 -774.39,-102.51 -718.23,-158.67 v1(-366.15,-158.67)
IN0_N: L37.3 R63A.1 R65A.1 | length 405.3
  BOTTOM w5.71: L37.3@-1685.43,194.83 -1695.28,194.83 -1700.29,199.85 -1700.29,204.48 -1711.01,215.2 -1711.01,247.21 -1689.8,268.42 -1605.53,268.42 -1604.76,267.64 -1574.2,267.64 -1526.8,315.05 -1482.93,315.05 -1462.21,335.77 R65A.1@-1462.21,336.56 R63A.1@-1412.6,336.56
IN0_P: L37.2 R64A.1 R65A.2 | length 383.4
  TOP w5.71: v1(-1642.13,237.45) -1585.95,237.45 -1531.87,291.53 -1531.87,295.83 -1524.02,303.69 v1(-1524.02,338.62)
  BOTTOM w5.71: L37.2@-1685.43,226.33 -1695.28,226.33 -1700.29,231.34 -1700.29,242.77 -1685.36,257.7 -1609.97,257.7 -1606.62,254.36 -1606.62,249.62 -1621.26,234.99 R64A.1@-1621.26,234.2 -1624.52,237.45 v1(-1642.13,237.45) ; v1@-1521.65,337.55 -1520.58,338.62 -1501.27,338.62 R65A.2@-1500.2,337.55
IN1_N: L38.3 R63B.1 R65B.1 | length 326
  BOTTOM w5.71: L38.3@-1679.53,123.96 -1689.37,123.96 -1705.1,139.69 -1705.1,142.65 -1704.26,143.49 -1705.1,144.33 -1705.1,166.59 -1696.55,175.14 -1668.42,175.14 -1659.86,183.7 -1659.86,196.67 -1642.39,214.14 -1581.99,214.14 -1577.03,209.18 -1571.29,209.18 -1563.62,201.51 -1551.45,201.51 -1531.89,181.95 R65B.1@-1531.89,179.08 ; R65B.1@-1525.32,174.59 R63B.1@-1475.71,174.59
IN1_P: L38.2 R64B.1 R65B.2 | length 228.3
  BOTTOM w5.71: L38.2@-1679.53,155.46 -1679.25,155.74 -1653.24,155.74 -1636.26,172.73 -1616.99,172.73 R64B.1@-1610.63,179.08 ; R64B.1@-1610.75,181.29 -1613.62,184.15 -1645.8,184.15 -1649.15,187.5 -1649.15,192.23 -1637.95,203.42 -1598.54,203.42 -1589.98,194.86 -1589.98,193.94 -1585.94,189.9 -1579.27,189.9 -1571.61,182.24 -1569.97,182.24 R65B.2@-1562.33,174.59
IN2_N: L39.3 R63C.1 R65C.1 | length 270.9
  BOTTOM w5.71: L39.3@-1673.44,-7.93 -1673.44,-17.2 -1668.42,-22.22 -1660.34,-22.22 -1656.64,-18.51 -1656.64,26.77 -1635.96,47.45 -1592.6,47.45 -1583.04,37.89 -1545.31,37.89 -1532.96,25.54 R65C.1@-1527.95,25.54 ; R65C.1@-1525.32,17.11 R63C.1@-1475.71,17.11
IN2_P: L39.2 R64C.1 R65C.2 | length 223.3
  BOTTOM w5.71: L39.2@-1704.93,-7.93 -1704.93,-17.77 -1699.92,-22.79 -1695.28,-22.79 -1684.57,-33.5 -1656.47,-33.5 -1645.93,-22.95 -1645.93,22.33 -1631.53,36.73 -1623.45,36.73 -1620.1,33.39 -1620.1,32.37 -1611.54,23.81 R64C.1@-1610.75,23.81 -1608.19,21.25 -1566.46,21.25 R65C.2@-1562.33,17.11
IN3_N: L40.3 R63D.1 R65D.1 | length 200.9
  BOTTOM w5.71: L40.3@-1653.94,-151.63 -1653.94,-141.78 -1648.92,-136.77 -1647.25,-136.77 -1634.27,-123.79 -1634.27,-122.46 -1626.21,-114.4 -1588.35,-114.4 -1586.02,-116.73 -1548.17,-116.73 -1532.96,-131.94 R65D.1@-1531.89,-131.94 ; R65D.1@-1525.32,-140.37 R63D.1@-1475.71,-140.37
IN3_P: L40.2 R64D.1 R65D.2 | length 148.1
  BOTTOM w5.71: L40.2@-1685.43,-161.47 -1669.7,-177.2 -1642.81,-177.2 -1631.46,-165.85 -1631.46,-153.59 -1611.54,-133.67 R65D.2@-1569.02,-133.67
IN4_N: L41.3 R63E.1 R65E.1 | length 268.8
  L2 w4: v1(-1650,-313.05) -1650,-312.77 -1657.93,-304.83 -1657.93,-295.48 -1653.71,-291.26 -1605.02,-291.26 -1598.14,-298.15 -1595.38,-298.15 -1589.23,-304.3 -1576.91,-304.3 -1570.45,-297.85 v1(-1500.52,-297.85) v1@-1497.01,-297.85
  BOTTOM w5.71: v1(-1650,-313.05) L41.3@-1650,-285.49 ; R65E.1@-1525.32,-297.85 v1(-1500.52,-297.85) R63E.1@-1475.71,-297.85
IN4_P: L41.2 R64E.1 R65E.2 | length 213.2
  L2 w4: v1(-1673.62,-320.13) -1673.62,-318.61 -1666.93,-311.91 -1666.93,-291.76 -1657.44,-282.26 -1601.29,-282.26 -1594.41,-289.15 -1583.35,-289.15 v1(-1583.07,-289.43)
  BOTTOM w5.71: L41.2@-1681.5,-285.49 -1673.62,-293.36 v1(-1673.62,-320.13) ; R64E.1@-1610.75,-291.15 -1609.02,-289.43 -1583.93,-289.43 -1583.07,-290.29 -1582.2,-289.43 -1570.75,-289.43 R65E.2@-1562.33,-297.85
IN5_N: L42.3 R63F.1 R65F.1 | length 258.7
  BOTTOM w5.71: L42.3@-1648.27,-522.04 -1650,-520.31 -1650,-462.15 -1649.68,-461.82 -1649.68,-446.58 -1632.46,-429.36 -1567.26,-429.36 -1562.96,-433.66 -1545.13,-433.66 -1533.88,-444.92 -1533.88,-445.98 -1532.96,-446.9 R65F.1@-1531.89,-446.9 ; R65F.1@-1525.32,-455.33 R63F.1@-1475.71,-455.33
IN5_P: L42.2 R64F.1 R65F.2 | length 245.1
  BOTTOM w5.71: L42.2@-1681.5,-504.54 -1681.5,-517.79 L42.2@-1679.76,-519.53 ; L42.2@-1679.76,-522.04 -1679.76,-530.89 -1674.75,-535.91 -1667.35,-535.91 -1664,-539.26 -1664,-543.02 -1653.26,-553.75 -1640.28,-553.75 -1632.54,-546.01 -1632.54,-460.94 -1626.38,-454.78 -1618.51,-454.78 R64F.1@-1614.57,-450.84 ; R64F.1@-1610.75,-448.63 -1569.02,-448.63 R65F.2@-1562.33,-455.33
IN6_N: L43.3 R63G.1 R65G.1 | length 236.9
  BOTTOM w5.71: L43.3@-1649.14,-654.87 -1645.12,-650.85 -1645.12,-622.53 -1632.54,-609.94 -1632.54,-593.17 -1626.21,-586.84 -1590.34,-586.84 -1585.15,-592.03 -1545.31,-592.03 -1529.02,-608.32 R65G.1@-1524.02,-608.32 ; R65G.1@-1524.02,-612.81 R63G.1@-1475.71,-612.81